# Altium PCB 1SL1 Xilinx Spartan-11E PQ208.PcbDoc (part 1 of 4)
Units mil, origin at the board's own origin, x right, y up, seen from the top; angles counter-clockwise.
Board outline 7086.61 x 1988.19 mil, 2 copper layers (Top Layer, Bottom Layer), stack 29.698 mil thick; 115 components, 126 nets, 642 pads, 225 vias.
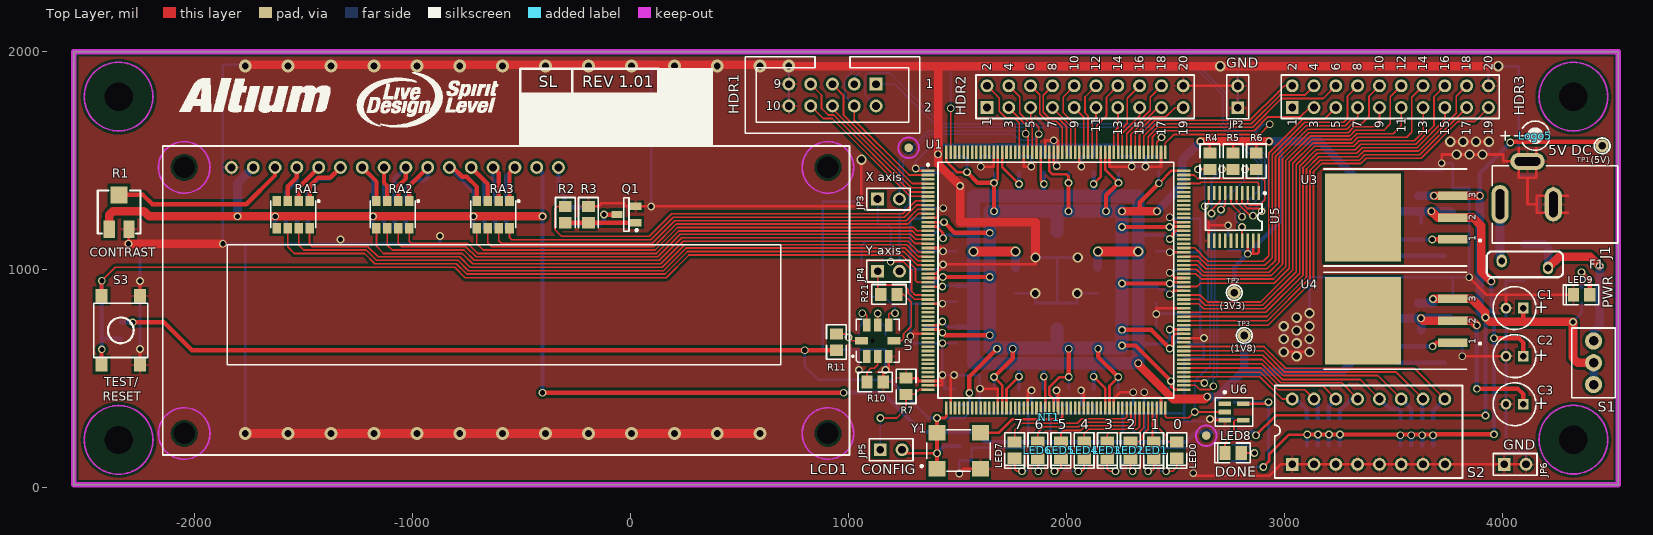
[diagram p0: Top Layer view]
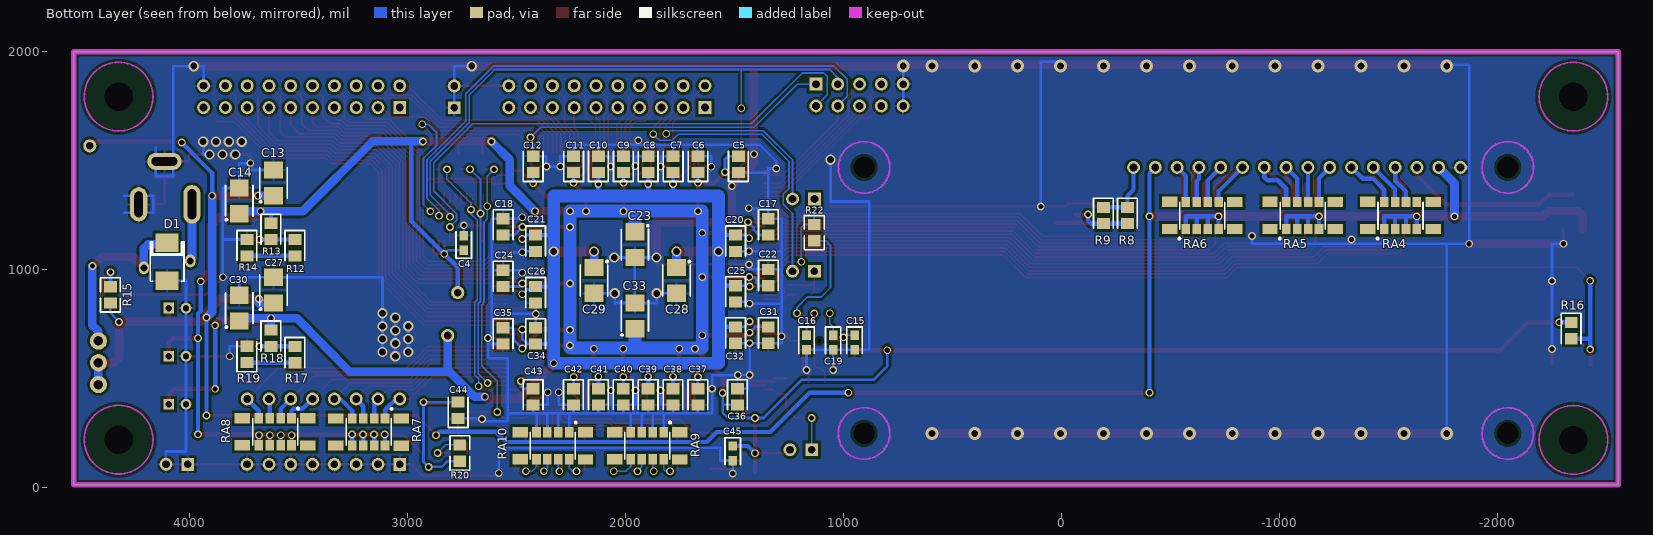
[diagram p1: Bottom Layer view, seen from below]

## Layer stack, top to bottom
Top Solder: solder mask 0.4, Solder Resist, Dk 3.5
Top Layer: signal copper 1.4
Dielectric 1: core 26.898, FR-4, Dk 4.2
Bottom Layer: signal copper 1.4
Bottom Solder: solder mask 0.4, Solder Resist, Dk 3.5

## Board outline
-2555.06,9.87 4531.55,9.87 4531.55,1998.06 -2555.06,1998.06

## Design rules (kind name [scope] priority, off if disabled: settings)
Clearance "Clearance_Power Polygon" [inpolygon and innetclass('Power')] p1: gap=11.81 ignorepadtopadclearanceinfootprint=FALSE except(0: Arc-Hole Track-Hole SMDPad-Hole THPad-Hole Via-Hole Fill-Hole Poly-Hole Region-Hole Text-Hole)
Clearance [All] p2: gap=7.87 ignorepadtopadclearanceinfootprint=FALSE except(0: Arc-Hole Track-Hole SMDPad-Hole THPad-Hole Via-Hole Fill-Hole Poly-Hole Region-Hole Text-Hole) // General
ComponentClearance ComponentClearance_D1_F1 [InComponent('D1') vs InComponent('F1')] p1 off: gap=1.18 collisioncheckmode=3 verticalgap=10 showdistances=FALSE
ComponentClearance ComponentClearance_JP4_R21 [InComponent('JP4') vs InComponent('R21')] p2 off: gap=2.76 collisioncheckmode=3 verticalgap=10 showdistances=FALSE
ComponentClearance ComponentClearance_LCD1_U2 [InComponent('LCD1') vs InComponent('U2')] p3 off: gap=3.54 collisioncheckmode=3 verticalgap=10 showdistances=FALSE
ComponentClearance ComponentClearance_U1_U6 [InComponent('U1') vs InComponent('U6')] p4 off: gap=3.94 collisioncheckmode=3 verticalgap=10 showdistances=FALSE
ComponentClearance ComponentClearance_S2 [InComponent('S2') vs InComponent('RA7') Or InComponent('RA8')] p5 off: gap=3.94 collisioncheckmode=3 verticalgap=10 showdistances=FALSE // Why is such a small clearance necessary?
ComponentClearance ComponentClearance_LCD1_R11 [InComponent('LCD1') vs InComponent('R11')] p6 off: gap=6.3 collisioncheckmode=3 verticalgap=10 showdistances=FALSE
ComponentClearance ComponentClearance_J1_Logo5 [InComponent('J1') vs InComponent('Logo5')] p7 off: gap=7.48 collisioncheckmode=3 verticalgap=10 showdistances=FALSE
ComponentClearance ComponentClearance_R2_R3 [InComponent('R2') vs InComponent('R3')] p8 off: gap=7.48 collisioncheckmode=3 verticalgap=10 showdistances=FALSE
ComponentClearance ComponentClearance_R5 [InComponent('R5') vs InComponent('R4') Or InComponent('R6')] p9 off: gap=7.48 collisioncheckmode=3 verticalgap=10 showdistances=FALSE
ComponentClearance ComponentClearance_LEDs [HasFootprint('SMD _LED') vs HasFootprint('SMD _LED')] p10 off: gap=7.48 collisioncheckmode=3 verticalgap=10 showdistances=FALSE
ComponentClearance ComponentClearance_R7_R10 [InComponent('R7') vs InComponent('R10')] p11 off: gap=9.45 collisioncheckmode=3 verticalgap=10 showdistances=FALSE
ComponentClearance ComponentClearance_U1 [InComponent('U1') vs Not InComponent('NT1') && Not InComponent('LED8')] p12 off: gap=10 collisioncheckmode=3 verticalgap=10 showdistances=FALSE
ComponentClearance ComponentClearance_General [Not InComponent('U1') vs Not InComponent('U1')] p13 off: gap=10 collisioncheckmode=3 verticalgap=10 showdistances=FALSE
ComponentClearance ComponentClearance_Default [All] p14: gap=5 collisioncheckmode=3 verticalgap=10 showdistances=FALSE
FabricationTestPointUsage TestPointUsage [All] p1 off: valid=0 allowmultiple=FALSE
FabricationTestpoint Testpoint [All] p1 off: side=3 testpointundercomponent=TRUE minsize=40 maxsize=100 preferedsize=60 minholesize=0 maxholesize=40 preferedholesize=32 testpointgrid=1 allowsidetop=TRUE allowsidebottom=TRUE usegrid=TRUE gridtolerance=0.01
HoleSize [All] p1: absolutevalues=TRUE maxlimit=130 minlimit=0 maxpercent=80.000 minpercent=20.000
PlaneConnect [All] p1: planeconnectstyle=Relief reliefexpansion=11.81 reliefentries=4 reliefconductorwidth=7.87 reliefairgap=7.87
PolygonConnect PolygonConnect_Power [innetclass('Power')] p1: thpad.connectstyle=Relief thpad.reliefconductorwidth=11.81 thpad.reliefentries=4 thpad.polygonreliefangle="90 Angle" thpad.airgapwidth=10 smdpad.connectstyle=Relief smdpad.reliefconductorwidth=11.81 smdpad.reliefentries=4 smdpad.polygonreliefangle="90 Angle" smdpad.airgapwidth=10 via.connectstyle=Direct via.reliefconductorwidth=11.81 via.reliefentries=4 via.polygonreliefangle="90 Angle" via.airgapwidth=10
PolygonConnect [All] p2: connectstyle=Relief reliefconductorwidth=7.87 reliefentries=4 polygonreliefangle="90 Angle" airgapwidth=10
RoutingVias RoutingVias_Power [innetclass('Power')] p1: holewidth=23.62 width=35.43 viastyle="Through Hole" minholewidth=23.62 minwidth=35.43 maxholewidth=31.5 maxwidth=59.06
RoutingVias [All] p2: holewidth=23.62 width=35.43 viastyle="Through Hole" minholewidth=23.62 minwidth=35.43 maxholewidth=23.62 maxwidth=35.43
SilkToSolderMaskClearance SilkscreenOverComponentPads [IsPad] p1: minsilkscreentomaskgap=10 clearancetoexposedcopper=TRUE
SolderMaskExpansion SolderMaskExpansion_Power_Vias [isvia] p1: expansion=0 istentingtop=FALSE
SolderMaskExpansion [All] p2: expansion=3.94 istentingtop=FALSE
Width Width_Power [innetclass('Power') and not inpolygon] p1: maxlimit=78.74 minlimit=11.81 preferedwidth=11.81
Width [All] p2: maxlimit=78.74 minlimit=7.87 preferedwidth=7.87
24 further rules are at their usual default settings.

## Classes and differential pairs
net class Power: 5V GND VCCINT VCCO

## Components (designator, comment, footprint, x,y, rotation, side; value= is the part's Value field where it differs from the comment)
C1 "100uF 16V" CAPPR2-5X6.8 4055.17,820.9 r180 top
C2 "100uF 16V" CAPPR2-5X6.8 4055.17,600.43 r180 top
C3 "100uF 16V" CAPPR2-5X6.8 4055.17,379.95 r180 top
C4 "10nF" CC1608-0603 2741.2,1120.11 r90 bottom
C5 "0.1uF" CC2012-0805 1482.34,1480.35 r90 bottom
C6 "0.1uF" CC2012-0805 1667.38,1480.35 r90 bottom
C7 "0.1uF" CC2012-0805 1781.55,1480.35 r90 bottom
C8 "0.1uF" CC2012-0805 1895.72,1480.35 r90 bottom
C9 "0.1uF" CC2012-0805 2009.9,1480.35 r90 bottom
C10 "0.1uF" CC2012-0805 2124.07,1480.35 r90 bottom
C11 "0.1uF" CC2012-0805 2238.24,1480.35 r90 bottom
C12 "0.1uF" CC2012-0805 2423.28,1480.35 r90 bottom
C13 "10uF" MCCT-B 3614.23,1395.7 r90 bottom
C14 "10uF" MCCT-B 3771.71,1313.02 r90 bottom
C15 "100nF" CC1608-0603 948.87,663.42 r270 bottom
C16 "100nF" CC1608-0603 1169.35,663.42 r270 bottom
C17 "0.1uF" CC2012-0805 1344.54,1193.93 r270 bottom
C18 "0.1uF" CC2012-0805 2561.08,1193.93 r270 bottom
C19 "100nF" CC1608-0603 1047.3,663.42 r270 bottom
C20 "0.1uF" CC2012-0805 1494.15,1119.13 r270 bottom
C21 "0.1uF" CC2012-0805 2411.47,1119.13 r270 bottom
C22 "0.1uF" CC2012-0805 1344.54,961.65 r270 bottom
C23 "10uF" MCCT-B 1956.75,1112.24 r270 bottom
C24 "0.1uF" CC2012-0805 2561.08,957.71 r270 bottom
C25 "0.1uF" CC2012-0805 1494.15,886.84 r270 bottom
C26 "0.1uF" CC2012-0805 2411.47,882.91 r270 bottom
C27 "10uF" MCCT-B 3614.23,903.57 r90 bottom
C28 "10uF" MCCT-B 1765.8,947.87 r270 bottom
C29 "10uF" MCCT-B 2143.76,947.87 r270 bottom
C30 "10uF" MCCT-B 3771.71,820.9 r90 bottom
C31 "0.1uF" CC2012-0805 1344.54,697.87 r270 bottom
C32 "0.1uF" CC2012-0805 1494.15,697.87 r270 bottom
C33 "10uF" MCCT-B 1956.75,785.46 r90 bottom
C34 "0.1uF" CC2012-0805 2411.47,693.93 r270 bottom
C35 "0.1uF" CC2012-0805 2561.08,693.93 r270 bottom
C36 "0.1uF" CC2012-0805 1486.28,414.4 r270 bottom
C37 "0.1uF" CC2012-0805 1667.38,414.4 r270 bottom
C38 "0.1uF" CC2012-0805 1781.55,414.4 r270 bottom
C39 "0.1uF" CC2012-0805 1895.72,414.4 r270 bottom
C40 "0.1uF" CC2012-0805 2009.9,414.4 r270 bottom
C41 "0.1uF" CC2012-0805 2124.07,414.4 r270 bottom
C42 "0.1uF" CC2012-0805 2238.24,414.4 r270 bottom
C43 "0.1uF" CC2012-0805 2423.28,414.4 r270 bottom
C44 "0.1uF" CC2012-0805 2767.77,352.39 r90 bottom
C45 "10nF" CC1608-0603 1507.93,155.54 r270 bottom
D1 "SM6T6V8A" DO214 4102.42,1033.46 r90 bottom
F1 "Polyswitch, 1.1A" RUE160_0.2 4102.42,1021.68 r0 top
HDR1 "Header 5X2" HDR2X5_LP 1126.04,1848.46 r0 top
HDR2 "Header 10X2" HDR2X10 1635.49,1740.58 r0 top locked
HDR3 "Header 10X2" HDR2X10 3035.49,1740.58 r0 top locked
J1 "KLD-0202-B" KLD-0202 4527.61,1297.28 r180 top
JP2 "GND" HDR1X2 2785.49,1740.58 r90 top locked
JP3 "X axis" HDR1X2 1133.65,1321.29 r0 top
JP4 "Y axis" HDR1X2 1133.91,990.19 r0 top
JP5 "CONFIG" HDR1X2 1145.72,171.29 r0 top
JP6 "GND" HDR1X2 4007.93,104.36 r0 top
LCD1 "162A" 162A -1830.65,1466.57 r0 top locked
LED0 "HSMH-C170" "SMD _LED" 2505.96,170.31 r90 top
LED1 "HSMH-C170" "SMD _LED" 2399.66,170.31 r90 top
LED2 "HSMH-C170" "SMD _LED" 2293.36,170.31 r90 top
LED3 "HSMH-C170" "SMD _LED" 2187.06,170.31 r90 top
LED4 "HSMH-C170" "SMD _LED" 2080.76,170.31 r90 top
LED5 "HSMH-C170" "SMD _LED" 1974.46,170.31 r90 top
LED6 "HSMH-C170" "SMD _LED" 1868.17,170.31 r90 top
LED7 "HSMH-C170" "SMD _LED" 1761.87,170.31 r90 top
LED8 "HSMH-C170" "SMD _LED" 2763.83,156.53 r0 top
LED9 "HSMH-C170" "SMD _LED" 4362.26,881.92 r0 top
Logo5 "5V" "5V SYMBOL" 4149.66,1612.24 r0 top
NT1 "GND" NT 1920.76,331.68 r270 top net-tie
Q1 "2N7002" SO-G3 -19.63,1250.03 r90 top
R1 "20K" POT4MM-2 -2346.4,1261.84 r90 top
R2 "560R" CC2012-0805 -299.16,1250.03 r270 top
R3 "10K" CC2012-0805 -192.86,1250.03 r270 top
R4 "4K7" CR2012-0805 2657.54,1495.11 r270 top
R5 "4K7" CR2012-0805 2763.83,1495.11 r270 top
R6 "4K7" CR2012-0805 2870.13,1495.11 r270 top
R7 "1K" CR2012-0805 1263.83,462.63 r270 top
R8 "68R" CC2012-0805 -303.09,1246.09 r270 bottom
R9 "68R" CC2012-0805 -192.86,1246.09 r270 bottom
R10 "680R" CR2012-0805 1122.1,482.31 r180 top
R11 "0R" CR2012-0805 944.15,665.39 r90 top
R12 "100R" CC2012-0805 3515.8,1098.45 r270 bottom
R13 "120R" CC2012-0805 3626.04,1173.25 r270 bottom
R14 "100R" CC2012-0805 3736.28,1098.45 r270 bottom
R15 "270R" CR2012-0805 4362.26,881.91 r270 bottom
R16 "4K7" CC2012-0805 -2338.53,718.53 r270 bottom
R17 "47R" CC2012-0805 3515.8,608.29 r270 bottom
R18 "120R" CC2012-0805 3626.04,683.1 r270 bottom
R19 "5R6" CC2012-0805 3736.28,608.3 r90 bottom
R20 "270R" CR2012-0805 2759.9,156.52 r270 bottom
R21 "100R" CR2012-0805 1185.09,883.89 r0 top
R22 "100R" CR2012-0805 1133.91,1167.35 r270 bottom
RA1 "270R" MNR34 -1547.19,1250.03 r270 top
RA2 "270R" MNR34 -1090.5,1250.03 r270 top
RA3 "270R" MNR34 -629.87,1250.03 r270 top
RA4 "4K7" MNR34T -1555.06,1246.09 r270 bottom
RA5 "4K7" MNR34T -1106.24,1246.09 r270 bottom
RA6 "4K7" MNR34T -645.61,1246.09 r270 bottom
RA7 "4K7" MNR34T 3177.42,252.96 r90 bottom
RA8 "4K7" MNR34T 3606.35,253.97 r90 bottom
RA9 "270R" MNR34T 1899.66,189.98 r90 bottom
RA10 "270R" MNR34T 2332.73,189.98 r90 bottom
S1 "TL36WW050" PCB_SWITCH 4417.57,470.06 r90 top
S2 "A6ER-8104" DIP-16-KEY 3035.49,104.36 r0 top
S3 "DTSM-61-NR" B3FS_SWITCH -2338.53,718.54 r270 top
TP1 "(5V)" TP 4456.75,1564.99 r0 top
TP2 "(3V3)" TP 2769.07,891.75 r0 top
TP3 "(1V8)" TP 2815.02,694.91 r0 top
U1 "XC2S300E-6PQ208C" PQ208 1950.84,949.83 r0 top locked
U2 "ADXL202E" E-8 1133.91,671.29 r90 top
U3 "LM1084IS-ADJ" TO-263 3771.71,1136.65 r90 top
U4 "LM1084IS-ADJ" TO-263 3771.71,663.42 r90 top
U5 "XCF02SVO20C" VO20 2766.79,1239.2 r180 top
U6 "SN74LVC1G04DBV" SO-G5/P.95 2767.77,344.52 r270 top
Y1 "25MHz" QSMO_4200 1405.57,68.93 r0 top

## Footprints (in the part's own frame and the unit in brackets; to place one, negate y for a bottom-side part, rotate by r counter-clockwise, add the part's x,y. Pads: shape width x height; smd on the part's side, far side on the other; paste and mask are expansions set on the pad)
"5V SYMBOL" [mil]
  silkscreen extent -158,-67 67,67
162A [mm]
  round 1.5 hole 0.9: 1(0,0) 2(2.54,0) 3(5.08,0) 4(7.62,0) 5(10.16,0) 6(12.7,0) 7(15.24,0) 8(17.78,0) 9(20.32,0) 10(22.86,0) 11(25.4,0) 12(27.94,0) 13(30.48,0) 14(33.02,0) 15(35.56,0) 16(38.1,0)
  round 2.3 hole 2.5 unplated: M1(-5.5,0) M2(69.5,0) M3(-5.5,-31) M4(69.5,-31)
  Keep-Out Layer circle w0.2: c69.5,0 r3
  Keep-Out Layer circle w0.2: c69.5,-31 r3
  Keep-Out Layer circle w0.2: c-5.5,-31 r3
  Keep-Out Layer circle w0.2: c-5.5,0 r3
  silkscreen extent -8,-33.5 72,2.5, body extent -8.01,-33.5 72,2.5, height 10.16
B3FS_SWITCH [mm]
  rect 1.6x1.4 smd: 1(3.998,-2.244) 2(-4.012,-2.244) 3(3.998,2.246) 4(-4.012,2.246)
  silkscreen extent -3.17,-3.15 3.14,3.16, body extent -4.57,-3.15 4.57,3.16, height 4.57
CAPPR2-5X6.8 [mm]
  rect 1.25x1.25 hole 0.75: 1(-0.994,-0.009)
  round 1.25 hole 0.75: 2(1.006,-0.009)
  silkscreen extent -2.49,-2.51 2.5,2.49, body extent -2.49,-2.51 2.51,2.49, height 10.16
CC1608-0603 [mm]
  rect 1.1x1 smd: 1(-0.843,0.001) 2(0.857,0.001)
  silkscreen extent -1.79,-0.9 1.31,0.9, body extent -1.46,-0.57 1.46,0.57, height 0.76
CC2012-0805 [mm]
  rect 1.3x1.5 smd: 1(-0.945,-0.007) 2(0.955,-0.007)
  silkscreen extent -1.99,-1.16 1.51,1.14, body extent -1.52,-0.7 1.52,0.7, height 0.76
CR2012-0805 [mm]
  rect 1.3x1.5 smd: 1(-0.946,0) 2(0.954,0)
  silkscreen extent -2,-1.15 2,1.15, body extent -1.52,-0.7 1.52,0.7, height 0.76
DIP-16-KEY [mm]
  rect 1.5x1.5 hole 0.9: 1(-0.011,0.001)
  round 1.5 hole 0.9: 2(2.529,0.001) 3(5.069,0.001) 4(7.609,0.001) 5(10.149,0.001) 6(12.689,0.001) 7(15.229,0.001) 8(17.789,0.001) 9(17.769,7.621) 10(15.229,7.621) 11(12.689,7.621) 12(10.149,7.621) 13(7.609,7.621) 14(5.069,7.621) 15(2.529,7.621) 16(-0.011,7.621)
  silkscreen extent -2.06,-1.59 19.82,9.2, body extent -2.03,-1.52 19.81,9.14, height 7.11
DO214 [mil]
  rect 85x106.3 smd: 1(-87.01,0.18) 2(87.99,0.18)
  silkscreen extent -90,-77 90,78, body extent -125,-50 125,50, height 50
E-8 [mil]
  round 15 hole 20 unplated: 0(-0.02,23.98)
  rect 60x35 smd: 1(-72.85,49.98) 2(-72.85,-0.02) 3(-72.85,-50.02) 5(72.82,-50.02) 6(72.82,-0.02) 7(72.82,49.98)
  rect 35x60 smd: 4(-0.02,-74.82) 8(-0.02,74.79)
  silkscreen extent -98,-98 99,118, body extent -95,-95 95,95, height 80
HDR1X2 [mm]
  rect 1.5x1.5 hole 0.9: 1(-0.011,0.007)
  round 1.5 hole 0.9: 2(2.529,0.007)
  silkscreen extent -1.28,-1.26 3.8,1.28, body extent -1.27,-1.27 3.81,1.27, height 10
HDR2X5_LP [mm]
  rect 1.5x1.5 hole 0.9: 1(0.003,0.004)
  round 1.5 hole 0.9: 2(0.003,-2.536) 3(-2.537,0.004) 4(-2.537,-2.536) 5(-5.077,0.004) 6(-5.077,-2.536) 7(-7.617,0.004) 8(-7.617,-2.536) 9(-10.157,0.004) 10(-10.157,-2.536)
  silkscreen extent -15.24,-5.71 5.08,3.18, body extent -15.24,-5.71 5.08,3.18, height 10
HDR2X10 [mm]
  rect 1.5x1.5 hole 0.9: 1(-0.011,0.007)
  round 1.5 hole 0.9: 2(-0.011,2.547) 3(2.529,0.007) 4(2.529,2.547) 5(5.069,0.007) 6(5.069,2.547) 7(7.609,0.007) 8(7.609,2.547) 9(10.149,0.007) 10(10.149,2.547) 11(12.689,0.007) 12(12.689,2.547) 13(15.229,0.007) 14(15.229,2.547) 15(17.769,0.007) 16(17.769,2.547) 17(20.309,0.007) 18(20.309,2.547) 19(22.849,0.007) 20(22.849,2.547)
  silkscreen extent -1.28,-1.26 24.12,3.82, body extent -1.27,-1.27 24.13,3.81, height 10
KLD-0202 [mm]
  oval 2x4.5 hole 1 slot 3.5 at 90 deg: 1(13.692,-0.001)
  oval 2x4 hole 1 slot 3 at 90 deg: 2(7.492,-0.001)
  oval 4x2 hole 1 slot 3 at 0 deg: 3(10.492,-5.001)
  silkscreen extent -0.01,-4.5 14.59,4.5, body extent 0,-4.44 14.6,4.45, height 7.62
MCCT-B [mm]
  rect 2x2.2 smd: 1(-1.505,-0.002) 2(1.495,-0.002)
  silkscreen extent -2.3,-1.6 1.8,1.6, body extent -2.29,-0.89 2.29,0.89, height 1.27
MNR34 [mm]
  rect 1.2x1 smd: 1(-1.578,1.898) 2(-1.578,0.628) 3(-1.578,-0.642) 4(-1.578,-1.912) 5(1.572,-1.912) 6(1.572,-0.642) 7(1.572,0.628) 8(1.572,1.898)
  silkscreen extent -1.68,-2.62 1.55,3.06, body extent -2.03,-2.29 2.03,2.29, height 1.27
MNR34T [mm]
  rect 1.2x1 smd: 1(1.575,-1.896) 2(1.575,-0.626) 3(1.575,0.644) 4(1.575,1.914) 5(-1.575,1.914) 6(-1.575,0.644) 7(-1.575,-0.626) 8(-1.575,-1.896)
  rect 1.2x1.8 smd: STP(-1.6,-3.801) STP(-1.575,3.819) STP(1.575,-3.801) STP(1.575,3.819)
  silkscreen extent -1.55,-2.76 2.79,2.62, body extent -1.65,-2.71 1.68,2.72, height 2
NT [mm]
  rect 0.2x0.2 smd: 1(0.01,0.011) 2(0.51,0.011)
  Top Layer lines w0.3: 0.51,0.011 0.01,0.011
PCB_SWITCH [mm]
  round 2 hole 1.1: 1(0.011,0.005) 2(2.551,0.005) 3(5.091,0.005)
  silkscreen extent -1.54,-2.53 6.59,2.55, body extent -1.52,-2.54 6.6,2.54, height 15
POT4MM-2 [mm]
  rect 2x1.3 smd: CCW(-2.008,-1.162) CW(-2.008,1.138)
  rect 2x2 smd: W(1.992,-0.012)
  silkscreen extent -2.51,-2.51 2.49,2.49, body extent -2.92,-2.41 2.92,2.41, height 3.05
PQ208 [mm]
  rect 1.55x0.3 smd: 1(-14.902,12.738) 2(-14.902,12.238) 3(-14.902,11.738) 4(-14.902,11.238) 5(-14.902,10.738) 6(-14.902,10.238) 7(-14.902,9.738) 8(-14.902,9.238) 9(-14.902,8.738) 10(-14.902,8.238) 11(-14.902,7.738) 12(-14.902,7.238) 13(-14.902,6.738) 14(-14.902,6.238) 15(-14.902,5.738) 16(-14.902,5.238) 17(-14.902,4.738) 18(-14.902,4.238) 19(-14.902,3.738) 20(-14.902,3.238) 21(-14.902,2.738) 22(-14.902,2.238) 23(-14.902,1.738) 24(-14.902,1.238) 25(-14.902,0.738) 26(-14.902,0.238) 27(-14.902,-0.262) 28(-14.902,-0.762) 29(-14.902,-1.262) 30(-14.902,-1.762) 31(-14.902,-2.262) 32(-14.902,-2.762) 33(-14.902,-3.262) 34(-14.902,-3.762) 35(-14.902,-4.262) 36(-14.902,-4.762) 37(-14.902,-5.262) 38(-14.902,-5.762) 39(-14.902,-6.262) 40(-14.902,-6.762) 41(-14.902,-7.262) 42(-14.902,-7.762) 43(-14.902,-8.262) 44(-14.902,-8.762) 45(-14.902,-9.262) 46(-14.902,-9.762) 47(-14.902,-10.262) 48(-14.902,-10.762) 49(-14.902,-11.262) 50(-14.902,-11.762) 51(-14.902,-12.262) 52(-14.902,-12.762) 105(14.898,-12.762) 106(14.898,-12.262) 107(14.898,-11.762) 108(14.898,-11.262) 109(14.898,-10.762) 110(14.898,-10.262) 111(14.898,-9.762) 112(14.898,-9.262) 113(14.898,-8.762) 114(14.898,-8.262) 115(14.898,-7.762) 116(14.898,-7.262) 117(14.898,-6.762) 118(14.898,-6.262) 119(14.898,-5.762) 120(14.898,-5.262) 121(14.898,-4.762) 122(14.898,-4.262) 123(14.898,-3.762) 124(14.898,-3.262) 125(14.898,-2.762) 126(14.898,-2.262) 127(14.898,-1.762) 128(14.898,-1.262) 129(14.898,-0.762) 130(14.898,-0.262) 131(14.898,0.238) 132(14.898,0.738) 133(14.898,1.238) 134(14.898,1.738) 135(14.898,2.238) 136(14.898,2.738) 137(14.898,3.238) 138(14.898,3.738) 139(14.898,4.238) 140(14.898,4.738) 141(14.898,5.238) 142(14.898,5.738) 143(14.898,6.238) 144(14.898,6.738) 145(14.898,7.238) 146(14.898,7.738) 147(14.898,8.238) 148(14.898,8.738) 149(14.898,9.238) 150(14.898,9.738) 151(14.898,10.238) 152(14.898,10.738) 153(14.898,11.238) 154(14.898,11.738) 155(14.898,12.238) 156(14.898,12.738)
  rect 0.3x1.55 smd: 53(-12.752,-14.912) 54(-12.252,-14.912) 55(-11.752,-14.912) 56(-11.252,-14.912) 57(-10.752,-14.912) 58(-10.252,-14.912) 59(-9.752,-14.912) 60(-9.252,-14.912) 61(-8.752,-14.912) 62(-8.252,-14.912) 63(-7.752,-14.912) 64(-7.252,-14.912) 65(-6.752,-14.912) 66(-6.252,-14.912) 67(-5.752,-14.912) 68(-5.252,-14.912) 69(-4.752,-14.912) 70(-4.252,-14.912) 71(-3.752,-14.912) 72(-3.252,-14.912) 73(-2.752,-14.912) 74(-2.252,-14.912) 75(-1.752,-14.912) 76(-1.252,-14.912) 77(-0.752,-14.912) 78(-0.252,-14.912) 79(0.248,-14.912) 80(0.748,-14.912) 81(1.248,-14.912) 82(1.748,-14.912) 83(2.248,-14.912) 84(2.748,-14.912) 85(3.248,-14.912) 86(3.748,-14.912) 87(4.248,-14.912) 88(4.748,-14.912) 89(5.248,-14.912) 90(5.748,-14.912) 91(6.248,-14.912) 92(6.748,-14.912) 93(7.248,-14.912) 94(7.748,-14.912) 95(8.248,-14.912) 96(8.748,-14.912) 97(9.248,-14.912) 98(9.748,-14.912) 99(10.248,-14.912) 100(10.748,-14.912) 101(11.248,-14.912) 102(11.748,-14.912) 103(12.248,-14.912) 104(12.748,-14.912) 157(12.748,14.888) 158(12.248,14.888) 159(11.748,14.888) 160(11.248,14.888) 161(10.748,14.888) 162(10.248,14.888) 163(9.748,14.888) 164(9.248,14.888) 165(8.748,14.888) 166(8.248,14.888) 167(7.748,14.888) 168(7.248,14.888) 169(6.748,14.888) 170(6.248,14.888) 171(5.748,14.888) 172(5.248,14.888) 173(4.748,14.888) 174(4.248,14.888) 175(3.748,14.888) 176(3.248,14.888) 177(2.748,14.888) 178(2.248,14.888) 179(1.748,14.888) 180(1.248,14.888) 181(0.748,14.888) 182(0.248,14.888) 183(-0.252,14.888) 184(-0.752,14.888) 185(-1.252,14.888) 186(-1.752,14.888) 187(-2.252,14.888) 188(-2.752,14.888) 189(-3.252,14.888) 190(-3.752,14.888) 191(-4.252,14.888) 192(-4.752,14.888) 193(-5.252,14.888) 194(-5.752,14.888) 195(-6.252,14.888) 196(-6.752,14.888) 197(-7.252,14.888) 198(-7.752,14.888) 199(-8.252,14.888) 200(-8.752,14.888) 201(-9.252,14.888) 202(-9.752,14.888) 203(-10.252,14.888) 204(-10.752,14.888) 205(-11.252,14.888) 206(-11.752,14.888) 207(-12.252,14.888) 208(-12.752,14.888)
  round 1 smd: FID1(-17.152,15.413) FID2(17.523,-18.112)
  Top Layer keep-out circle w0.2: c17.523,-18.137 r1.2
  Top Layer keep-out circle w0.2: c-17.152,15.413 r1.2
  silkscreen extent -15.03,-13.74 13.72,13.71, body extent -15.35,-15.36 15.35,15.34, height 2.5
QSMO_4200 [mm]
  rect 2x1.8 smd: 1(-0.009,0.39) 2(5.071,0.39) 3(5.071,4.59) 4(-0.009,4.59)
  silkscreen extent -1.91,0.09 6.21,4.94, body extent -1.14,-0.32 6.1,5.3, height 1.5
RUE160_0.2 [mm]
  oval 1.2x1.5 hole 0.8: 1(-2.7,0.4) 2(2.7,-0.4)
  silkscreen extent -4.45,-1.5 4.45,1.5, body extent -4.45,-1.5 4.45,1.5, height 12
"SMD _LED" [mm]
  rect 1.3x1.6 smd: 1(0.948,0.006) 2(-0.952,0.006)
  silkscreen extent -2.13,-1.14 2,1.16, body extent -1.52,-0.64 1.52,0.64, height 1.27
SO-G3 [mm]
  rect 0.85x1.3 smd: 1(-0.939,-1.107) 2(0.961,-1.107) 3(0.011,1.093)
  silkscreen extent -1.94,-1.33 1.96,0.29, body extent -1.65,-1.52 1.65,1.51, height 2.54
SO-G5/P.95 [mm]
  rect 0.55x1.45 smd: 1(-0.954,-1.07) 2(-0.004,-1.07) 3(0.946,-1.07) 4(0.946,1.08) 5(-0.954,1.08)
  silkscreen extent -2.43,-2.19 1.65,2.21, body extent -1.27,-1.78 1.27,1.78, height 0.89
TO-263 [mm]
  rect 1x3.4 smd: 1(-0.006,0.009) 2(2.534,0.009) 3(5.074,0.009)
  rect 10.25x8.9 smd: 4(2.534,10.459)
  silkscreen extent -3.11,-3.29 8.19,15.01, body extent -2.29,-1.14 7.37,14.35, height 2.03
TP [mil]
  round 60 hole 35.43: 1(0.14,0.45)
  silkscreen extent -36,-36 36,36, body extent -36,-36 36,36
VO20 [mm]
  rect 0.3x1.65 smd: 1(-2.929,-2.778) 2(-2.279,-2.778) 3(-1.629,-2.778) 4(-0.979,-2.778) 5(-0.329,-2.778) 6(0.321,-2.778) 7(0.971,-2.778) 8(1.621,-2.778) 9(2.271,-2.778) 10(2.921,-2.778) 11(2.921,2.772) 12(2.271,2.772) 13(1.621,2.772) 14(0.971,2.772) 15(0.321,2.772) 16(-0.329,2.772) 17(-0.979,2.772) 18(-1.629,2.772) 19(-2.279,2.772) 20(-2.929,2.772)
  silkscreen extent -3.75,-2.9 3.3,1.55, body extent -3.3,-3.56 3.3,3.55, height 1.52
